# Altium PCB Thermostat.PCBDOC (part 4 of 5)
Units mil, origin at the board's own origin, x right, y up, seen from the top; angles counter-clockwise.
Board outline 4724.41 x 1988.19 mil, 4 copper layers (TOP, G1, L2, BOT), stack 61.023 mil thick; 417 components, 243 nets, 1244 pads, 695 vias.
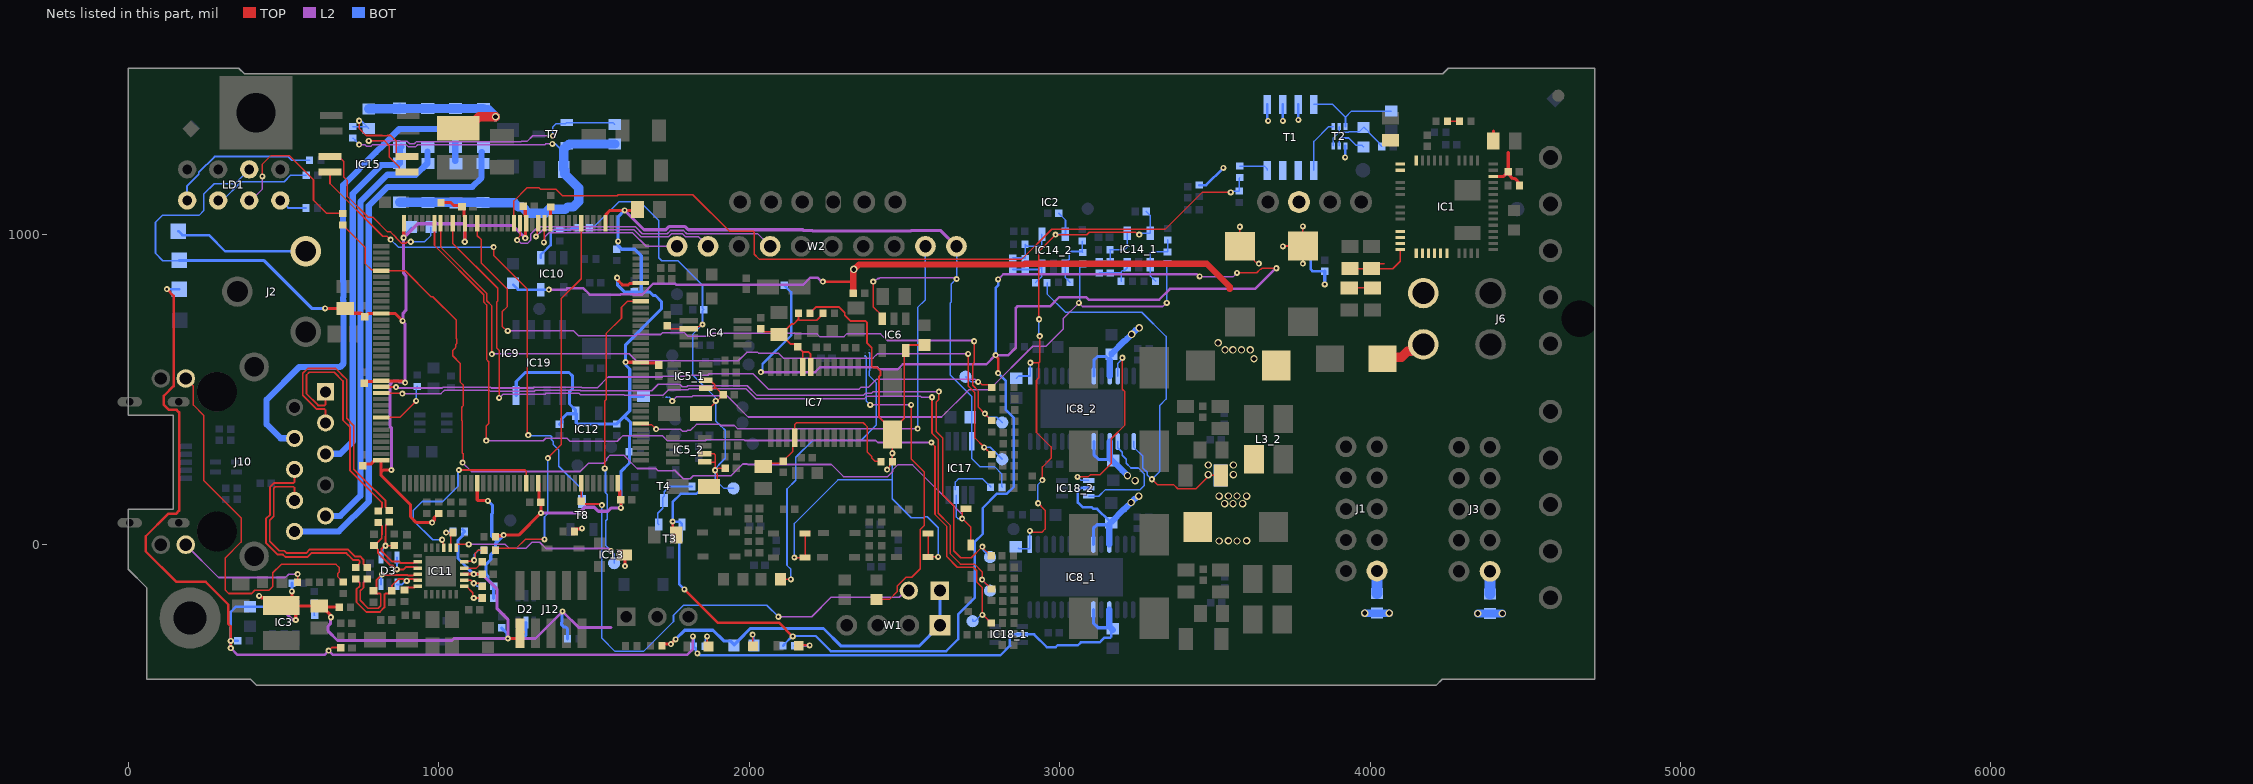
[diagram p6: the nets of this part, all layers, seen from the top]

## Via types
v1: diameter 19.68, hole 7.87, TOP to BOT, tented both sides, 555 vias
v2: diameter 23.62, hole 11.81, TOP to BOT, tented both sides, 72 vias
v3: diameter 23.62, hole 15.75, TOP to BOT, tented both sides, 63 vias
v4: diameter 25.98, hole 12.99, TOP to BOT, tented both sides, 5 vias

## Nets (pads, with @x,y where several pads share a name; then routed paths per layer and width w, separated by ;. In a path a pad name is that pad's centre, name@x,y a point inside that pad or via, vN(x,y) a via of type N, cw(c..) or ccw(c..) an arc to the next point about the centre after c; other vN are vias at no path point) (continued)
NetIC8_2_12: IC8_2.12 IC18_2.4 | length 595.3
  TOP w5: v1(3057.57,218.66) 3091.59,218.66 3098.31,225.38 3129.38,225.38 3165.93,261.93 3165.93,342.06 3210.29,386.41 3210.29,492.8 3201.98,501.11 v1(3201.98,602.78)
  BOT w5: v1(3057.57,218.66) 3068.39,207.83 IC18_2.4@3094.31,207.83 ; IC8_2.12@3187.04,543.86 3187.04,584.24 3201.98,599.17 v1(3201.98,602.78)
NetIC8_2_15: IC8_2.15 L3_2.1 R51_2.1 R52_2.1 R76_2.1 | length 1357.6
  TOP w5: v1(3297.24,211.43) 3315.7,192.98 3367.99,192.98 3380.24,180.73 3439.29,180.73 3482.22,223.66 R51_2.1@3520.15,223.66
  BOT w5: R76_2.1@2959.45,844.49 2959.45,808.43 3018.85,749.02 3264.83,749.02 3342.74,671.11 3342.74,469.67 3322.88,449.81 3322.88,237.07 v1(3297.24,211.43) 3297.24,209.63 3281.85,225.03 3281.85,233.47 3267.72,247.6 3267.72,285.94 3238.22,315.43 IC8_2.15@3238.22,332.83
  other v3: 3478.84,226.08 3559.56,226.08 3478.84,257.08 3559.56,257.08
NetIC8_2_17: IC8_2.17 IC18_2.6 | length 383
  BOT w5: IC18_2.6@3094.31,156.65 3126.17,156.65 3147.67,178.15 3259.5,178.15 3271.85,190.5 3271.85,229.33 3253.57,247.6 3229.7,247.6 3214.57,262.73 3214.57,275.45 3201.75,288.28 3201.75,298.05 3187.04,312.76 IC8_2.17@3187.04,332.83
NetIC9_48: IC9.48 R32.2 | length 32.7
  TOP w10: IC9.48@1360.24,1055.12 R32.2@1360.24,1087.8
NetIC9_101: IC9.101 R34.1 | length 183.3
  TOP w5: IC9.101@813.98,410.43 874.02,410.43 v1(927.21,463.63)
  BOT w5: v1(927.21,463.63) 927.21,506.15 R34.1@931.1,510.04
NetIC9_138: IC9.138 JP2.2 R63.1 | length 1689.3
  TOP w5: IC9.138@1458.66,198.82 R63.1@1458.66,140.55 1467.58,131.63 1517.93,131.63 1521.61,127.95 v1(1525.59,127.95)
  L2 w5: v1(2094.04,-231.76) 2201.16,-231.76 2263.86,-169.06 2483.35,-169.06 2504.88,-147.53 JP2.2@2514.19,-147.53
  BOT w5: v1(1525.59,127.95) 1525.59,-300.78 1568.04,-343.22 1659.71,-343.22 1756.07,-246.86 1756.07,-226.65 1788.47,-194.26 2056.54,-194.26 v1(2094.04,-231.76)
NetIC10_1: IC10.1 R87.1 R88.2 | length 188.9
  BOT w8: IC10.1@1328.32,924.77 1328.32,934.61 1336.13,942.42 1337.18,942.42 1360.26,965.5 1360.26,1003.51 1371.9,1015.15 R88.2@1389.65,1015.15 1424.26,1015.15 1430.36,1021.25 1448.69,1021.25 R87.1@1449.09,1021.65
NetIC11_7: IC11.7 R21.2 R24.2 | length 108.9
  TOP w5: IC11.7@1081.69,-133.86 1089.76,-133.86 1109.89,-153.98 1109.89,-168.45 v1(1112.7,-171.26) R24.2@1139.96,-171.26
  BOT w5: v1(1112.7,-171.26) 1113.68,-172.24 R21.2@1138.98,-172.24
NetIC11_8: IC11.8 R20.2 R23.2 | length 97.3
  TOP w5: IC11.8@1081.71,-114.19 1103.35,-114.19 v1(1112.7,-123.54) ; v1@1116.15,-120.08 1116.15,-120.82 1119.48,-124.15 1131.28,-124.15 1140.2,-133.07 R23.2@1140.2,-133.86
  BOT w5: v1(1112.7,-123.54) 1123.02,-133.86 R20.2@1140.2,-133.86
NetIC11_10: IC11.10 R25.1 | length 67.1
  TOP w5: IC11.10@1081.69,-74.8 1121.3,-74.8 1140.2,-55.91 R25.1@1140.2,-55.12
NetIC11_11: IC11.11 R22.2 R27.2 | length 147.9
  TOP w5: IC11.11@1081.69,-55.12 1084.36,-52.45 1111.02,-52.45 1111.02,-48.48 1118.1,-41.39 1118.1,-26.31 1127.56,-16.85 R27.2@1146.18,-16.85
  BOT w5: v1(1113.68,-49.79) 1113.68,-32.26 1129.09,-16.85 R22.2@1146.18,-16.85
NetIC11_14: IC11.14 R29.2 R99.2 | length 99.6
  TOP w5: v1(1023.48,39.37) R29.2@1043.09,39.37 ; IC11.14@1036.42,-9.84 1038.71,-7.55 1038.71,34.99 R29.2@1043.09,39.37 ; R29.2@1046.46,39.78 1043.5,39.78 R29.2@1043.09,39.37
  BOT w5: v1(1023.48,39.37) 1027.22,43.11 R99.2@1046.46,43.11
NetIC11_24: IC11.24 R26.1 | length 47.3
  TOP w6: R26.1@889.76,-145.87 898.18,-137.45 920.43,-137.45 924.02,-133.86 IC11.24@932.09,-133.86
NetIC14_1_1: IC14_1.1 R78_1.2 R79_1.2 R80_1.2 | length 194.2
  BOT w5: R78_1.2@3308.86,849.41 3308.86,850.2 3299.94,859.11 3299.15,859.11 3292.32,865.94 IC14_1.1@3292.32,901.57 3292.32,940.77 3295.25,943.7 R80_1.2@3347.44,943.7 3348.43,944.69 R79_1.2@3348.43,982.48
NetIC14_1_3: IC14_1.3 R72_1.1 R74_1.1 R76_1.2 | length 161.9
  BOT w5: R74_1.1@3126.97,876.18 R72_1.1@3163.39,876.18 3198.03,876.18 R76_1.2@3198.03,849.41 3198.82,850.2 3198.82,880.35 3201.75,883.28 3208.21,883.28 3217.52,892.59 IC14_1.3@3217.52,901.57
NetIC14_1_4: IC14_1.4 R72_1.2 R74_1.2 R77_1.1 | length 177.7
  BOT w5: R74_1.2@3126.97,913.19 R72_1.2@3163.39,913.19 3163.39,949.61 R77_1.1@3162.38,950.61 ; R77_1.1@3162.2,950.79 R77_1.1@3162.38,950.61 ; IC14_1.4@3217.52,1003.94 3217.52,959.58 3208.55,950.61 R77_1.1@3162.38,950.61
NetIC14_2_1: IC14_2.1 R78_2.2 R79_2.2 R80_2.2 | length 190.4
  BOT w5: R78_2.2@3033.27,845.47 3033.27,846.26 3024.35,855.18 3023.56,855.18 3017.72,861.02 IC14_2.1@3017.72,897.64 3017.72,907.48 3027.03,916.79 3028.07,916.79 3031,919.72 3031,941.93 3033.95,944.88 3070.87,944.88 R80_2.2@3072.83,942.91 ; R79_2.2@3072.83,978.54 R80_2.2@3072.83,942.91 ; R80_2.2@3073.82,941.93 R80_2.2@3072.83,942.91
NetIC14_2_3: IC14_2.3 R72_2.1 R74_2.1 R76_2.2 | length 160.4
  BOT w5: R72_2.1@2848.43,887.01 2933.6,887.01 IC14_2.3@2942.91,896.32 ; R76_2.2@2922.44,844.49 2922.44,845.28 2931.36,854.19 2932.15,854.19 2942.91,864.96 IC14_2.3@2942.91,896.32 ; IC14_2.3@2942.91,897.64 IC14_2.3@2942.91,896.32
NetIC14_2_4: IC14_2.4 R72_2.2 R74_2.2 R77_2.1 | length 178.1
  BOT w5: R72_2.2@2848.43,924.02 2887.8,924.02 R74_2.2@2888.78,923.03 R77_2.1@2888.78,968.31 ; R77_2.1@2888.58,968.5 R77_2.1@2888.78,968.31 ; IC14_2.4@2942.91,1000 2942.91,967.53 2937,961.61 2895.47,961.61 R77_2.1@2888.78,968.31
NetIC15_1: IC15.1 R168.1 | length 540.4
  TOP w5: IC15.1@649.61,1250.79 653.02,1247.38 681.79,1247.38 693.52,1235.65 693.52,1185.87 705.71,1173.68 705.71,1122.04 772.63,1055.12 788.02,1055.12 835.26,1007.88 844.9,1007.88 862.25,990.53 862.25,989.21 879.63,971.83 893.99,971.83 896.94,974.78 908.27,974.78 v1(909.87,976.38)
  BOT w5: v1@908.27,974.78 v1(909.87,976.38) 954.45,976.38 974.71,996.64 R168.1@974.71,1023.62
NetIC15_2: IC15.2 T8.3 | length 1627.3
  TOP w5: IC15.2@649.61,1200.79 649.61,1164 819.84,993.76 833.43,993.76 843.84,983.35 v1(844.9,983.35) ; v1(1176.51,959.1) 1176.51,933.19 1284.45,825.26 1284.45,363.62 1285.58,362.49 1285.58,356.16 v1(1288.39,353.35)
  BOT w5: v1(844.9,983.35) 869.22,959.04 1090.84,959.04 1090.91,959.1 v1(1176.51,959.1) ; v1(1288.39,353.35) 1289.74,352 1360.26,352 1363.19,349.07 1363.19,338.61 1368.79,333.01 1368.79,323.28 1386.81,305.26 1386.81,253.55 1461.66,178.7 T8.3@1461.66,139.87
NetIC15_3: IC15.3 R184.2 T7.1 | length 1034.9
  TOP w5: v1(774.41,1301.32) 825.1,1301.32 840.47,1285.94 840.47,1249.12 872.42,1217.17 872.42,1210.1 881.73,1200.79 IC15.3@897.64,1200.79
  L2 w5: v1(774.41,1301.32) 874.53,1301.32 876.49,1299.37 898.67,1299.37 906.33,1291.71 920.7,1291.71 928.04,1299.05 1265.66,1299.05 1265.98,1299.37 1284.36,1299.37 1302.48,1317.49 v1(1367.74,1317.49)
  BOT w5: v1(1367.74,1317.49) 1367.74,1346.42 1378.29,1356.97 1409.16,1356.97 T7.1@1412.42,1360.24 1561.09,1360.24 R184.2@1567,1354.33
NetIC15_4: IC15.4 R140.1 R146.2 | length 328.4
  TOP w5: v1(743.51,1366.09) 743.51,1341.18 766.03,1318.66 817.97,1318.66 818.9,1317.72 833.27,1317.72 834.21,1318.66 845.48,1318.66 863.72,1300.43 863.72,1260.1 873.03,1250.79 IC15.4@897.64,1250.79
  BOT w5: R146.2@722.64,1347.24 R140.1@768.9,1347.24 ; v1(743.51,1366.09) 750.05,1366.09 R140.1@768.9,1347.24 ; R140.1@774.61,1341.54 R140.1@768.9,1347.24
NetJ1_10: J1.10 R109.1 | length 72.9
  BOT w35: R109.1@4022.26,-157.02 J1.10@4022.26,-84.1
NetJ3_10: J3.10 R110.1 | length 72.9
  BOT w35: R110.1@4386.44,-158.2 J3.10@4386.44,-85.28
NetJ10_L1: J10.L1 R11.2 | length 1272.5
  TOP w5: J10.L1@185.04,535.83 209.74,511.13 209.74,450.37 243.11,416.99 243.11,207.48 363.19,87.4 363.19,9.14 312.01,-42.04 312.01,-145.67 323.09,-156.76 397.27,-156.76 407.52,-146.51 452.95,-146.51 465.26,-134.19 465.26,-90.02 492.27,-63.01 669.08,-63.01 679.24,-73.17 679.24,-87.54 675.15,-91.62 675.15,-103.3 691.14,-119.29 R11.2@691.93,-119.29
NetJ10_L3: J10.L3 R17.2 | length 435
  TOP w5: v1(545.28,-94.49) 545.28,-120.87 R17.2@545.47,-121.06
  L2 w5: J10.L3@185.04,0.39 290.61,-105.18 506.09,-105.18 516.78,-94.49 v1(545.28,-94.49)
NetLD1_1: LD1.1 R68.1 | length 489.2
  BOT w6: LD1.1@189.57,1109.45 189.57,1156.38 227.09,1193.9 227.09,1200.05 277.83,1250.79 514.77,1250.79 526.68,1238.88 R68.1@584.18,1238.88
NetLD1_3: LD1.3 R67.1 | length 318.1
  TOP w5: LD1.3@292.32,1106.69 LD1.3@292.32,1107.28
  BOT w5: LD1.3@289.57,1109.45 303.71,1109.45 363.93,1169.67 502.15,1169.67 523.43,1190.94 R67.1@573.31,1190.94
NetLD1_5: LD1.5 R10.1 | length 523.6
  TOP w5: v1(432.09,1187.01) 432.09,1226.38 459.65,1253.94 518.7,1253.94 596.46,1176.18 596.46,1110.24 638.98,1067.72 R10.1@690.94,1067.72
  L2 w5: LD1.5@394.68,1109.25 432.09,1146.65 v1(432.09,1187.01)
  BOT w5: LD1.5@389.57,1109.45 LD1.5@394.48,1109.45
NetLD1_7: LD1.7 R9.1 | length 104
  TOP w5: LD1.7@502.95,1111.22 LD1.7@502.95,1122.83
  BOT w6: LD1.7@489.57,1109.45 490.46,1109.45 514.77,1085.14 R9.1@571.85,1085.14
NetLD2_2: LD2.2 R64.1 | length 84.5
  TOP w8: LD2.2@2159.45,-324.8 2160.43,-323.82 v1(2194.7,-323.82)
  BOT w8: R64.1@2146.26,-324.8 2193.71,-324.8 v1(2194.7,-323.82)
NetLD3_2: LD3.2 R65.2 | length 73.8
  TOP w5: v1(2011.24,-289.27) 2011.24,-326.2 LD3.2@2011.81,-326.77
  BOT w5: v1(2011.24,-289.27) 2011.24,-293.11 2014.76,-296.63 R65.2@2014.76,-323.82
NetLD4_2: LD4.2 R66.2 | length 68.9
  TOP w5: v1(1864.26,-295.08) 1864.26,-322.93 LD4.2@1869.09,-327.76
  BOT w5: R66.2@1858.07,-326.77 1858.07,-305.25 1864.26,-299.05 v1(1864.26,-295.08)
NetNT2_1: NT2.1 R44.1 | length 987.4
  TOP w5: R44.1@2100.51,-111 v1(2134.26,-111)
  BOT w5: v1(2134.26,-111) 2134.26,-78.87 2121.82,-66.43 2121.82,180.15 2149.93,208.26 2149.93,281.97 2205.2,337.24 2360.71,337.24 2408.76,385.29 2408.76,522.64 2387.19,544.22 2387.19,560.33 2387.68,560.83 NT2.1@2387.68,618.36
NetNT3_1: NT3.1 R50.1 | length 1040.2
  TOP w5: R50.1@2409.97,-175.8 2451.97,-175.8 2477.16,-150.61 2477.16,-132.19 2504.81,-104.54 2523.22,-104.54 2550.87,-76.9 2550.87,49.37 2564.56,63.05 2564.56,233.67 2521.76,276.47 v1(2521.76,451.06)
  L2 w5: v1(2389.76,450.79) 2390.04,451.06 v1(2521.76,451.06)
  BOT w5: NT3.1@2374.03,608.37 2377.19,605.22 2377.19,463.37 v1(2389.76,450.79)
NetR3_1: R3.1 R4.2 | length 38.9
  TOP w5: R3.1@4248.87,1365.09 4287.22,1365.09 R4.2@4287.6,1364.72
NetR8_1: R8.1 R16.2 | length 54.4
  BOT w5: R8.1@588.79,-195.96 597.7,-187.04 R8.1@598.49,-187.04 598.49,-226.1 599.28,-226.89 R16.2@600.07,-226.89
NetR91_1: R91.1 T2.2 | length 113.6
  BOT w5: T2.2@3901,1285.14 3901,1307.63 3903.93,1310.56 3931.32,1310.56 3954.74,1287.13 3973.62,1287.13 R91.1@3979,1281.75
NetR91_2: R91.2 R93.2 T2.3 T2.5 | length 242.6
  BOT w5: T2.3@3881.32,1285.14 3881.32,1310.56 3901,1330.24 ; T2.5@3901,1347.35 3901,1330.24 ; R93.2@4037.5,1283.24 4028.58,1292.16 4028.58,1295.16 3996.19,1327.56 3996.19,1329.52 3980.97,1344.74 R91.2@3979,1344.74 3964.5,1330.24 3931.32,1330.24 3929.7,1328.63 3902.62,1328.63 3901,1330.24
NetR92_2: R92.2 T1.4 T2.6 | length 304.2
  BOT w5: T1.4@3819,1418.54 3879.55,1418.54 3920.68,1377.4 ; T2.6@3920.68,1347.35 3920.68,1377.4 ; R92.2@4067.94,1397.09 3940.37,1397.09 3920.68,1377.4
NetR103_1: R103.1 T3.1 T4.3 | length 235.7
  BOT w5: T3.1@1708.66,65.47 1705.7,68.43 1705.7,101.96 1721.66,117.91 1721.66,152.89 1726,157.23 1726,171.32 ; R103.1@1815.76,187.99 1742.67,187.99 ; 1726,171.32 1742.67,187.99 ; 1726,171.32 1742.67,187.99
NRST: IC9.129 IC11.15 | length 666.5
  TOP w5: v1(1010.96,16.33) 1013.77,13.52 1013.77,-6.88 IC11.15@1016.73,-9.84 ; v1(1064.96,241.18) 1278.38,241.18 1281.5,238.06 IC9.129@1281.5,198.82
  BOT w5: v1(1010.96,16.33) 980.52,16.33 918.01,78.83 918.01,110.73 946.85,139.57 1013.2,139.57 1062.06,188.43 1062.06,238.27 v1(1064.96,241.18)
OVERTHERMn: D24.1 D25.1 IC9.77 IC17.3 R10.2 R30.2 | length 3201.7
  TOP w5: R10.2@692.91,1028.54 693.9,1028.54 700.65,1021.79 700.65,1020.81 762.8,958.66 762.8,906.5 783.16,886.13 810.72,886.13 IC9.77@813.98,882.87 891.73,882.87 975.39,799.21 981.02,799.21 1056.1,724.13 1056.1,664.52 1057.46,663.16 1057.46,648.47 1055.43,646.44 1055.43,637.12 1051.18,632.87 1051.18,632.74 1044.72,626.28 1044.72,608.83 1069.88,583.66 1069.88,548.26 1068.78,547.15 1068.78,524.5 1079.4,513.88 1079.4,448.57 1074.09,443.26 1074.09,401.4 1075.2,400.29 1075.2,296.89 1078.78,293.31 1078.78,272.37 1074.01,267.61 v1(1076.82,264.8) ; D24.1@2698.82,116.14 2693.37,116.14 2686.02,108.8 v1(2686.02,84.65) 2713.52,57.15 D25.1@2713.52,0.2
  L2 w5: v1(1076.82,264.8) 1105.4,236.22 1455.71,236.22 1482.93,263.44 1531.16,263.44 1541.79,274.07 1541.79,278.87 1551.95,289.03 1566.31,289.03 1566.96,288.39 1596.46,288.39 1638.94,245.91 1698.82,245.91 1705.55,239.17 1755.43,239.17 1756.2,239.94 1760.34,239.94 1787.2,213.08 1810.16,213.08 1819.98,222.9 1941.49,222.9 1979.04,260.45 1993.4,260.45 1995,258.86 2264.76,258.86 2303.58,220.04 2446.43,220.04 2461.88,235.5 2461.88,241.33 2478.05,257.5 2525.96,257.5 2686.02,97.44 v1(2686.02,84.65)
  BOT w5: IC17.3@2664.37,178.15 2664.37,202.76 2674.21,212.6 2751.18,212.6 2768.05,195.73 2768.84,195.73 2777.76,186.81 R30.2@2777.76,186.02 ; IC17.3@2666.34,160.43 2666.34,90.62 2672.31,84.65 v1(2686.02,84.65)
P3V3: C14.1 C29.1 C30.1 C31.1 C32.1 C33.1 C35.1 C84.2 C94.1 C95.1 C96.1 C97.1 C98.1 C99.1 C101.2 D2.5 D26.1 IC6.3 IC9.17 IC9.30 IC9.39 IC9.52 IC9.62 IC9.72 IC9.84 IC9.95 IC9.108 IC9.121 IC9.131 IC9.144 IC11.9 IC12.4 IC13.3 IC17.8 IC19.8 J12.1 JP2.1 L1.2 L5.2 L7.2 LD1.6 R7.2 R20.1 R21.1 R22.1 R30.1 R33.1 R53.2 R61.2 R62.1 R65.1 R86.1 R95.2 R98.1 R99.1 R104.2 R120.2 R168.2 TP11.1 W1.1 W2.10 | length 13089.7
  TOP w5: v1(2399.65,847.9) 2399.84,847.71 2399.84,766.25 2428.98,737.11 IC6.3@2428.98,728.25
  TOP w10: v1(421.3,-164.36) 423.92,-164.36 429.91,-170.35 483.48,-170.35 L1.2@509.98,-196.85 ; L1.2@492.2,-195.87 493.18,-196.85 L1.2@509.98,-196.85 ; v1(526.77,-150.04) L1.2@526.77,-196.85 ; v1(539.38,-242.13) L1.2@539.38,-196.85 ; v1(633.89,761.87) 698.76,761.87 C35.1@698.82,761.81 714.49,746.14 749.92,746.14 C96.1@761.81,734.25 772.4,744.84 813.91,744.84 814.14,745.08 859.79,745.08 v1(883.41,721.46) ; v1(652.56,-233.27) 650.71,-231.41 650.71,-225.51 C14.1@625.98,-200.79 ; L7.2@679.72,-200.79 C14.1@625.98,-200.79 ; C98.1@755.5,254.92 761.64,261.05 782.71,261.05 794.29,272.64 IC9.108@813.98,272.64 813.98,233.71 ; C97.1@759.84,520.67 765.83,526.65 812.09,526.65 IC9.95@813.98,528.54 814.13,528.39 883.36,528.39 ; v1(847.48,241.18) 821.44,241.18 813.98,233.71 ; v1(886.81,989.17) 887.3,989.67 887.3,1034.94 IC9.72@887.8,1035.43 ; R120.2@1000,101.57 999.21,101.57 985.51,87.87 985.51,78.77 v1(978.44,71.7) 927.88,71.7 908.81,90.77 908.81,129.41 813.98,224.25 813.98,233.71 ; R95.2@1014.76,1103.35 1037.89,1103.35 1047.6,1093.64 1070.73,1093.64 C95.1@1074.8,1089.57 1081.85,1082.52 1081.85,1057.91 1084.65,1055.12 IC9.62@1084.65,1038.39 ; IC11.9@1081.69,-94.49 v1(1112.7,-94.49) 1125.47,-94.49 ; v1(1083.66,976.38) 1084.15,976.87 1084.15,1034.94 IC9.62@1084.65,1035.43 ; IC9.121@1124.02,198.82 1124.02,144.69 1125.43,143.27 1157.05,143.27 v1(1158.46,141.86) ; R98.1@1183.19,26.46 1186.18,29.45 v1@1208.74,29.45 ; v1@1210.6,31.31 1257.49,31.31 v1(1328.74,102.56) C32.1@1328.74,136.81 1322.76,142.8 1322.76,196.93 IC9.131@1320.87,198.82 ; v1(1222.44,-301.71) 1251.4,-301.71 J12.1@1272.2,-280.91 ; C30.1@1273.62,1088.58 1278.7,1083.5 1278.7,1057.91 1281.5,1055.12 IC9.52@1281.5,1035.43 1280.02,1033.96 1280.02,989.67 v1(1278.54,988.19) ; R62.1@1436.61,42.92 1436.61,43.71 1443.03,50.13 1445.78,50.13 1446.67,51.02 1459.51,51.02 v1(1461.36,52.87) ; IC9.39@1537.4,1035.43 1539.29,1037.32 1539.29,1065.24 1551.54,1077.49 v1(1598.43,1077.49) 1637.53,1077.49 C99.1@1639.76,1079.72 ; v1(1574.72,860.52) 1576.58,858.67 1576.58,852.13 1587.09,841.61 1587.57,841.61 1592.78,836.4 1609.22,836.4 1614.43,841.61 1648.7,841.61 IC9.30@1650.59,843.5 ; IC9.144@1576.77,198.82 1576.77,179.13 1583.03,172.87 1583.03,149.25 C94.1@1586.61,145.67 v1(1586.61,119.04) ; IC13.3@1597.44,-32.48 1599.97,-35.01 v1(1599.97,-68.65) ; v1(1602.03,588.54) 1602.5,588.07 1650.12,588.07 IC9.17@1650.59,587.6 1652.48,585.71 1702.11,585.71 C33.1@1708.39,579.43 ; R86.1@1718.73,-324.8 1723.79,-319.74 v1(1747.58,-319.74) v1(1762.83,-304.49) ; L1.2@509.98,-196.85 L1.2@526.77,-196.85 ; L1.2@526.77,-196.85 L1.2@539.38,-196.85 ; L1.2@539.38,-196.85 C14.1@615.16,-196.85 ; C14.1@615.16,-196.85 619.09,-200.79 C14.1@625.98,-200.79 ; C14.1@615.16,-196.85 622.05,-196.85 C14.1@625.98,-200.79
  L2 w5: v1(2399.65,847.9) 2403.62,847.9 2413.72,858 2419.25,858 2421.8,860.56 2659.7,860.56 2663.96,856.3 v1(2667.93,856.3)
  L2 w10: 456.38,-198.6 485.85,-198.6 529.38,-242.13 ; v1(652.56,-233.27) 650.71,-235.12 650.71,-254.33 643.58,-261.46 643.58,-277.9 673.9,-308.22 1042.72,-308.22 1049.23,-301.71 v1(1222.44,-301.71) ; v1(847.48,241.18) 847.48,377.43 842.4,382.51 842.4,516.14 854.03,527.76 870.47,527.76 874.19,524.04 890.33,524.04 v1(891.73,522.64) 891.73,710.51 883.41,718.84 v1(883.41,721.46) 885.17,723.22 885.17,746.3 894.09,755.21 894.09,867.24 886.81,874.52 v1(886.81,989.17) 932.04,1034.4 1077.8,1034.4 1083.66,1028.54 ; v1(1083.66,976.38) 1083.66,1028.54 ; v1(1112.7,-94.49) 1139.23,-94.49 1187.99,-143.25 1187.99,-205.71 1222.44,-240.16 v1(1222.44,-301.71) ; v1(1278.54,988.19) 1238.19,1028.54 1083.66,1028.54 ; v1(1328.74,102.56) 1451.12,102.56 1469.8,121.25 1500.94,121.25 1514.08,108.11 1545.21,108.11 1556.15,119.04 v1(1586.61,119.04) ; 1555.12,-266.34 1450.39,-266.34 v1(1398.62,-214.57) 1311.48,-301.71 v1(1222.44,-301.71) ; v1(1598.43,1077.49) 1661.02,1014.89 1731.05,1014.89 1741.23,1025.08 1793.81,1025.08 1803.99,1014.89 1845.19,1014.89 1845.37,1015.08 1889.67,1015.08 1889.85,1014.89 1945.19,1014.89 1945.37,1015.08 2172.86,1015.08 2175.68,1012.26 2204.47,1012.26 2206.12,1010.61 2520.16,1010.61 2521.81,1012.26 2616.86,1012.26 W2.10@2667.5,961.61
  BOT w5: TP11.1@161.42,915.35 111.22,915.35 87.6,938.98 87.6,1039.37 109.25,1061.02 227.36,1061.02 243.11,1076.77 243.11,1129.92 276.57,1163.39 343.5,1163.39 LD1.6@389.57,1209.45 ; v1(886.81,989.17) 889.3,991.67 889.3,1001.21 894.54,1006.44 896.5,1006.44 911.72,1021.65 R168.2@911.72,1023.62 ; v1@2664.37,854.33 2650.59,840.55 2650.59,782.33 2647.16,778.9 2647.16,547.72 2717.52,477.36 IC17.8@2717.52,333.66 2717.52,277.56 2744.09,250.98 2791.34,250.98 2812.99,229.33 2812.99,187.99 R30.1@2814.96,186.02 ; W2.10@2667.5,961.61 2667.93,961.18 v1(2667.93,856.3)
  BOT w10: TP11.1@163.39,916.34 435.89,916.34 590.36,761.87 v1(633.89,761.87) ; v1(526.77,-150.04) R7.2@526.77,-123.54 ; R99.1@1077.05,49.53 R99.1@1083.46,43.11 1077.05,36.69 1077.05,30.12 1062.06,15.14 1062.06,-43.85 v1(1112.7,-94.49) 1152.61,-94.49 ; v1(1158.46,141.86) 1172.86,127.46 1172.86,101.03 1170.79,98.96 1170.79,27.69 1188.09,10.39 ; R21.1@1175.98,-172.24 1175.98,-135.08 R20.1@1177.2,-133.86 1170.79,-127.44 1170.79,-123.54 1158.46,-111.21 1158.46,-100.35 1152.61,-94.49 ; C29.1@1202.76,-267.72 1203.35,-268.31 1220.59,-285.55 1220.59,-299.86 v1(1222.44,-301.71) 1270.22,-301.71 1280.51,-291.42 D2.5@1280.51,-250 1277.64,-252.87 1277.64,-280.5 ; v1(1209,31.31) 1188.09,10.39 ; IC19.8@1248.82,480.65 1249.64,481.47 1249.64,526.16 1278.69,555.21 1419.58,555.21 1431.2,543.59 1431.2,503.64 1421.26,493.7 1421.26,453.74 1440.94,434.06 IC12.4@1440.94,424.21 IC12.4@1442.95,422.2 ; R53.2@1388.86,388.58 1389.65,388.58 1396.06,395 1396.06,405.39 1412.88,422.2 IC12.4@1442.95,422.2 ; v1(1398.62,-214.57) 1397.15,-216.04 1397.15,-248.52 1395.67,-250 1395.67,-257.87 1402.48,-264.69 1408.71,-264.69 1414.57,-270.54 R33.1@1414.57,-303.15 ; v1(1574.72,860.52) 1576.39,858.85 1576.39,835.68 1597.11,814.96 C31.1@1629.92,814.96 1652.13,814.96 ; 1576.09,965.47 1589.39,952.17 1631.43,952.17 1652.13,931.47 1652.13,814.96 ; v1(1577.94,977.36) 1577.94,1057.01 v1(1598.43,1077.49) ; v1(1586.61,119.04) 1586.61,235.92 1614.17,263.48 1614.17,348.8 1617.92,352.55 1617.92,393.95 1597.57,414.3 ; v1(1602.03,588.54) 1602.03,644.5 1717.68,760.15 1717.68,783.53 1698.22,802.99 1690.56,802.99 1678.59,814.96 1652.13,814.96 ; 1603.88,577.48 1615.1,566.27 1615.1,478.35 ; D26.1@1659.71,478.3 1615.15,478.3 1615.1,478.35 ; v1(1747.58,-319.74) v1(1762.83,-304.49) 1792.08,-275.24 1883.6,-275.24 1917.5,-309.13 1939.05,-309.13 1951.77,-321.85 1983.75,-289.87 1983.75,-288.69 2003.02,-269.42 2239.21,-269.42 2296,-326.22 2547.13,-326.22 W1.1@2614.19,-259.16 JP2.1@2614.19,-147.53 ; 1152.61,-94.49 1152.61,-62.42 1167.6,-47.43 1167.6,-32.44 1175.98,-24.06 1176.77,-24.06 1183.19,-17.64 R22.1@1183.19,-16.85 1183.19,5.49 1188.09,10.39 ; IC12.4@1442.95,422.2 1442.95,393.42 1446.8,389.57 R61.2@1572.83,389.57 1573.62,389.57 1580.04,395.98 1580.04,396.77 1597.57,414.3 ; 1597.57,414.3 1615.1,431.83 1615.1,478.35
P3V3A: C38.2 D12.1 D13.1 D14.1 D17.1 D18.1 IC6.5 R37.2 R38.2 | length 2281.9
  TOP w5: v1(2145.67,-40.84) D14.1@2178.23,-40.84 ; D14.1@2180.49,-40.84 D13.1@2180.49,36.59 2188.37,36.59 D13.1@2195.71,43.93 ; v1(2444.02,242.16) 2444.02,243.97 2452.78,252.74 2452.78,259.52 R38.2@2461.5,268.24 2460.97,268.77 v1(2460.97,295.1) D12.1@2460.97,355.22 ; D18.1@2564.56,43.93 2571.9,36.59 2576.09,36.59 D17.1@2576.09,-38.91 v1(2608.65,-38.91)